# Altium PCB PCB2.PcbDoc (part 2 of 4) (continued)
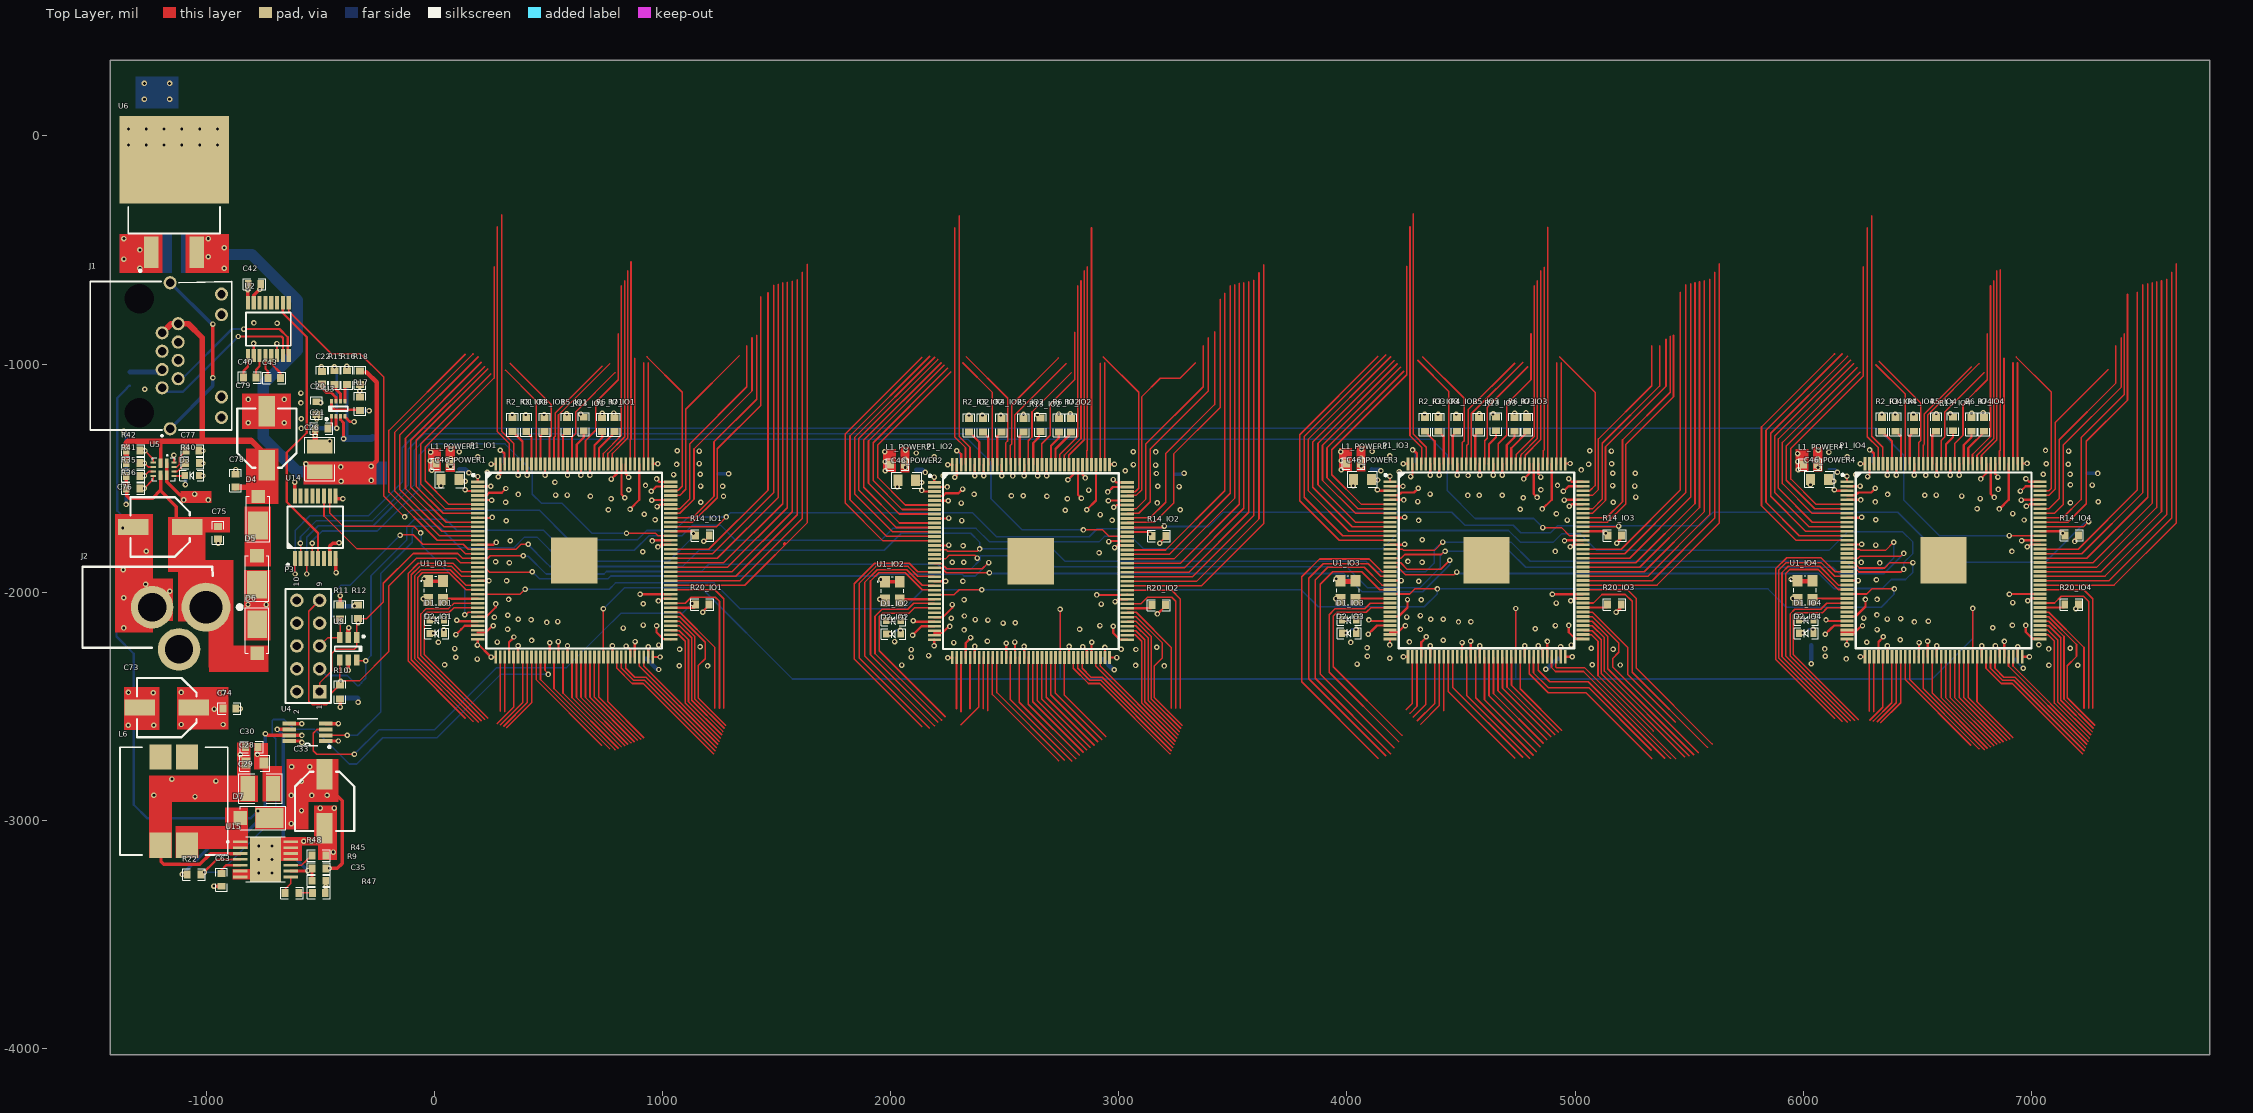
[diagram p0: Top Layer view]
## Nets (pads, with @x,y where several pads share a name; then routed paths per layer and width w, separated by ;. In a path a pad name is that pad's centre, name@x,y a point inside that pad or via, vN(x,y) a via of type N, cw(c..) or ccw(c..) an arc to the next point about the centre after c; other vN are vias at no path point) (continued)
  Top Layer w12: U3.4@-390.9,-1228.8 -390.9,-1230.83 -368.59,-1253.15 v1(-351.58,-1253.15)
  Top Layer w15: v1(-965.5,-3287.6) -964.84,-3288.26 -962.58,-3288.26 -962.48,-3288.16 C63.1@-931.5,-3288.16 ; U2.15@-791.08,-731.53 -791.08,-698.28 -760.14,-667.34 C42.1@-760.14,-650.1 ; U4.5@-635.8,-2576 -581.3,-2576 v1@-581,-2576.3 ; U4.1@-475.8,-2652 -419.3,-2652 v1@-419.1,-2652.2 ; U4.4@-475.8,-2576 -418.11,-2576 v1@-417.43,-2576.68 ; U14.8@-431.83,-1852.62 -431.87,-1852.66 -431.87,-1912.53 v1(-430.5,-1913.9) ; U14.9@-431.83,-1577.98 -431.83,-1588.64 -430.47,-1590 v1(-400,-1590)
  Top Layer w20: U8.2@-377,-2198.69 -376.33,-2198.02 -376.33,-2158.77 -374.71,-2157.15 v1(-374.71,-2156.06)
  Top Layer w25: C21.1@-521.3,-1282.4 -521.3,-1341.6 C26.1@-501.7,-1361.2
  Bottom Layer w10: v1(289.2,-1377.3) 303.02,-1391.12 C9_POWER1.2@303.02,-1431.06 ; v1(2290.3,-1379.9) 2304.12,-1393.72 C9_POWER2.2@2304.12,-1433.66 ; v1(4287.2,-1376.45) 4301.02,-1390.27 C9_POWER3.2@4301.02,-1430.22 ; C2_POWER4.2@6111.76,-1460.3 6138.77,-1460.3 v1@6150.17,-1471.7 ; v1(6290.2,-1376.3) 6304.02,-1390.12 C9_POWER4.2@6304.02,-1430.06 ; C54_POWER4.2@6928.2,-2290.42 6928.2,-2298.3 v1(6963.2,-2333.3)
  Bottom Layer w15: v1(-1360.45,-1295.11) -1360.45,-1297.05 -1349.4,-1308.1 R44.2@-1349.4,-1395.5 ; v1@-1353.08,-1617.52 -1349.46,-1613.9 R39.2@-1349.46,-1545.43 R38.1@-1349.46,-1489.89 R43.1@-1349.46,-1434.36 R44.2@-1349.46,-1378.83
  Bottom Layer w20: C39.1@-412.9,-2462.22 -411.68,-2463.44 -334.42,-2463.44 C37.1@-333.2,-2464.66 ; C38.1@-412.8,-2061.78 -411.73,-2060.71 -335.27,-2060.71 C36.1@-334.2,-2059.64 ; R19.2@-326.2,-1204.2 -325.93,-1204.47 -286.01,-1204.47 v1(-285.73,-1204.74) ; C2_POWER1.2@110.76,-1461.3 136.42,-1461.3 v1@152.21,-1477.09 ; C54_POWER1.2@927.2,-2291.42 929.92,-2291.42 976.28,-2337.78 983.45,-2337.78 v1(984.22,-2338.55) ; C2_POWER2.2@2111.86,-1463.9 2138.5,-1463.9 v1@2149.7,-1475.1 ; C54_POWER2.2@2928.3,-2294.02 2931.02,-2294.02 2976.23,-2339.23 2979.23,-2339.23 v1(2980,-2340) ; C2_POWER3.2@4108.76,-1460.45 4111.22,-1462.91 4142.8,-1462.91 4146.5,-1466.61 4146.89,-1466.61 4148,-1467.72 v1@4148,-1468.11 ; v1(4870.56,-2337.58) 4871.33,-2336.82 4876.24,-2336.82 4922.48,-2290.57 C54_POWER3.2@4925.2,-2290.57 ; C48_POWER4.2@6034.64,-2232.3 6034.64,-2292.86 C56_POWER4.1@6035.08,-2293.3
  other v1: -475.5,-3290.21 -442.5,-3138.6 -571.5,-3091.6 -539.2,-3090.85 -499.5,-2945.6 -438.65,-2945.62 -774.97,-2710.8 -419.8,-2651.9 -1341,-2582.7 -1229.2,-2582.7 -580.7,-2576 -420.1,-2575.3 -850.3,-2510.5 -334.07,-2482.6 -1231.1,-2440.3 -1340.4,-2439 1073.4,-2322.58 3073.6,-2320.5 7076.2,-2320.3 2049,-2319 45.3,-2317.9 5074.5,-2317.3 4044,-2314.5 6034.2,-2313.3 188.7,-2292.6 6188.2,-2292.3 4187.2,-2289.7 2166.2,-2277.4 3075.2,-2250.9 3010,-2250 1075.1,-2249.3 7075.2,-2248.3 5070.5,-2245.6 984.1,-2231.6 4982.8,-2231.6 7032.2,-2230.3 2276.3,-2220.5 4016,-2219.9 18.5,-2218.6 6278.2,-2219.3 276.4,-2218.5 4273.5,-2217.7 2017.5,-2216.2 1998.3,-2181.9 -2.8,-2179.3 3995.2,-2178.45 5998.2,-2178.3 2321.7,-2165.2 321.5,-2162.6 2828.2,-2162.6 4321.8,-2162.9 6323.2,-2163.3 4825.4,-2159.4 827.9,-2156.8 -1361.29,-2156.16 6830.2,-2155.3 2917.3,-2146.2 4913.6,-2145.9 916.4,-2143.6 6916.2,-2144.3 2492.9,-2135.1 2546.4,-2133.4 493.6,-2132.4 4488.7,-2130 4543,-2129.5 6486.89,-2129.97 541.5,-2128.4 6548.2,-2127.3 1997.9,-2121.5 2426.6,-2121.9 424.1,-2120.4 2371.41,-2119.79 -3.2,-2118.9 367.7,-2118.2 3994.8,-2118.05 4366.6,-2118 4421.9,-2118 5997.8,-2117.9 6368.2,-2117.3 6426.2,-2115.3 2323.4,-2104.1 4321.8,-2102.1 322.1,-2101.1 6322.2,-2099.3 -350,-2060 2923.57,-2051.62 916.5,-2050.3 4917.5,-2047.2 6918.2,-2045.3 2321.7,-2032.7 325.5,-2031.5 4325.3,-2032.4 1953.3,-2030.9 6323.2,-2031.3 -47.8,-2028.3 3950.2,-2027.45 5953.2,-2027.3 -1360.29,-2024.16 -1159.29,-1996.16 -1265.29,-1965.16 2316.9,-1952.3 4314.8,-1951.2 316.9,-1950 6320.2,-1945.3 -1363.29,-1901.16 6253.2,-1869.3 2269.6,-1868.1 268.5,-1866.2 4267,-1865 2913.4,-1826.5 914.1,-1822.5 4912.4,-1820.9 6914.2,-1821.3 -1262.29,-1820.16 -946.2,-1784.9 -1365.29,-1718.16 315.8,-1686.7 2311.6,-1685.9 4313.8,-1685.14 2970.5,-1684.3 4965.5,-1683.6 967.8,-1682.8 6967.2,-1683.3 6317.2,-1682.3 2918.9,-1659.3 920.8,-1657.6 4917.8,-1656.5 6918.2,-1655.3 763.4,-1638.5 3269.77,-1638.2 4759.4,-1636.2 -1350.46,-1614.93 2310.1,-1609.3 312.4,-1605.7 6315.2,-1604.3 7292.2,-1603.3 4309.8,-1602.4 775.1,-1590.3 2775.1,-1589.7 6775.2,-1589.3 4772.1,-1586.4 5265.6,-1582.9 684.59,-1579.72 1267.6,-1579.1 2684.99,-1578.91 2529.68,-1577.24 2581.3,-1577.2 4529.1,-1575.5 4579.6,-1575 6532.2,-1575.3 531.5,-1574.1 582.5,-1574.1 6582.2,-1574.3 367.7,-1571.5 6369.2,-1571.3 2365.6,-1570.2 4364,-1569.5 2868.85,-1552.24 852.4,-1551.1 4850.1,-1550.6 6854.2,-1549.3 2028.5,-1537.2 3264.3,-1536.6 1263.7,-1535.7 5260.83,-1534.76 4027.6,-1533.8 29.5,-1532.8 7266.2,-1530.3 6031.2,-1528.3 2230,-1490 6229.4,-1485.2 1049,-1484 7051.2,-1483.3 151.9,-1476.5 233,-1475 2151.9,-1475.1 6149.2,-1474.3 4228.4,-1471.6 3028.3,-1467.8 4148.74,-1467.38 5026.9,-1464.1 -870.15,-1462.55 3161.1,-1442.8 7161.2,-1439.3 5159.7,-1436.86 1161.34,-1436.14 -1013.76,-1435.23 190.35,-1406.7 2191.3,-1407.1 6192.2,-1406.3 4188,-1402.7 2112.4,-1389.7 6112.2,-1386.3 3161.92,-1384.99 109.4,-1384 4109.7,-1382.8 1160.8,-1381.1 5158.69,-1381.32 7162.07,-1381.26 -1013.76,-1379.83 -458.5,-1338.8 -521.3,-1312 -815.4,-1257.2 -657.5,-1257.2 2643.3,-1221.9 642.2,-1219.3 4640.2,-1218.45 6643.2,-1218.3 -584.4,-1170.5 -497.7,-1169 -815.4,-1155 -657.5,-1155 -584.4,-1127.3 -1269,-1110.1 -494.6,-1012.3 -689,-821.3 -790.3,-819.5 -764.38,-673.07 -1290,-580 -1360,-540 -1290,-500 -1360,-450 -1270,160 -1160,160 -1270,230 -1160,230
GPIO_0_IO1: P1_IO1.14 | length 1219.1
  Top Layer w7: 135.37,-956.95 -198.67,-1290.99 -198.67,-1560.49 13.31,-1772.47 P1_IO1.14@190.71,-1772.47
GPIO_0_IO2: P1_IO2.14 | length 1236.1
  Top Layer w7: 2136.47,-971.05 1801.85,-1305.67 1801.85,-1610.28 1966.64,-1775.07 P1_IO2.14@2191.81,-1775.07
GPIO_0_IO3: P1_IO3.14 | length 1244.6
  Top Layer w7: 4135.37,-966.69 3792.54,-1309.52 3792.54,-1599.47 3965.54,-1772.47 P1_IO3.14@4190.71,-1772.47
GPIO_0_IO4: P1_IO4.14 | length 1235.4
  Top Layer w7: 6136.37,-955.95 5816.42,-1275.9 5816.42,-1621.35 5966.54,-1771.47 P1_IO4.14@6191.71,-1771.47
GPIO_1_IO1: P1_IO1.11 | length 1076.4
  Top Layer w7: P1_IO1.11@190.71,-1713.42 42.43,-1713.42 -125.88,-1545.11 -125.88,-1324.81 206.33,-992.6
GPIO_1_IO2: P1_IO2.11 | length 1114.9
  Top Layer w7: P1_IO2.11@2191.81,-1716.02 2024.52,-1716.02 1860.66,-1552.16 1860.66,-1326.65 2207.43,-979.89
GPIO_1_IO3: P1_IO3.11 | length 1115.2
  Top Layer w7: P1_IO3.11@4190.71,-1713.42 4023.42,-1713.42 3850.02,-1540.02 3850.02,-1341.22 4206.33,-984.92
GPIO_1_IO4: P1_IO4.11 | length 1097.7
  Top Layer w7: P1_IO4.11@6191.71,-1712.42 6024.42,-1712.42 5873.9,-1561.9 5873.9,-1315.94 6207.33,-982.52
GPIO_2_IO1: P1_IO1.12 | length 1142.5
  Top Layer w7: P1_IO1.12@190.71,-1733.1 32.48,-1733.1 -151.42,-1549.21 -151.42,-1311.13 192.33,-967.39
GPIO_2_IO2: P1_IO2.12 | length 1163.1
  Top Layer w7: P1_IO2.12@2191.81,-1735.7 2009.29,-1735.7 1842,-1568.41 1842,-1321.41 2193.43,-969.99
GPIO_2_IO3: P1_IO3.12 | length 1171.4
  Top Layer w7: P1_IO3.12@4190.71,-1733.1 4008.19,-1733.1 3830.87,-1555.78 3830.87,-1328.84 4192.33,-967.39
GPIO_2_IO4: P1_IO4.12 | length 1150.8
  Top Layer w7: P1_IO4.12@6191.71,-1732.1 6009.19,-1732.1 5856.79,-1579.7 5856.79,-1302.92 6193.33,-966.39
GPIO_3_IO1: P1_IO1.13 | length 1188.2
  Top Layer w7: 169.83,-956.07 -173.86,-1299.75 -173.86,-1555.67 23.26,-1752.79 P1_IO1.13@190.71,-1752.79
GPIO_3_IO2: P1_IO2.13 | length 1209.5
  Top Layer w7: 2170.93,-966.23 1822,-1315.16 1822,-1594.83 1982.55,-1755.39 P1_IO2.13@2191.81,-1755.39
GPIO_3_IO3: P1_IO3.13 | length 1219.3
  Top Layer w7: 4169.83,-960.36 3812.91,-1317.28 3812.91,-1584.25 3981.45,-1752.79 P1_IO3.13@4190.71,-1752.79
GPIO_3_IO4: P1_IO4.13 | length 1205
  Top Layer w7: 6170.83,-955.07 5836.42,-1289.47 5836.42,-1605.76 5982.45,-1751.79 P1_IO4.13@6191.71,-1751.79
GPIO_4_IO1: P1_IO1.10 | length 1018.7
  Top Layer w7: P1_IO1.10@190.71,-1693.73 52.39,-1693.73 -102.67,-1538.68 -102.67,-1334.41 220.33,-1011.41
GPIO_4_IO2: P1_IO2.10 | length 1060.5
  Top Layer w7: P1_IO2.10@2191.81,-1696.33 2038.79,-1696.33 1882.72,-1540.26 1882.72,-1332.52 2221.43,-993.82
GPIO_4_IO3: P1_IO3.10 | length 1060
  Top Layer w7: P1_IO3.10@4190.71,-1693.73 4037.69,-1693.73 3872.77,-1528.81 3872.77,-1346.61 4220.33,-999.05
GPIO_4_IO4: P1_IO4.10 | length 1046.2
  Top Layer w7: P1_IO4.10@6191.71,-1692.73 6038.69,-1692.73 5890.6,-1544.64 5890.6,-1328.57 6221.33,-997.85
GPIO_5_IO1: P1_IO1.6 | length 1336.2
  Top Layer w7: P1_IO1.6@190.71,-1614.99 63.41,-1614.99 -39.98,-1511.61 -39.98,-1363.71 262.33,-1061.4 262.33,-574.09
GPIO_5_IO2: P1_IO2.6 | length 892.4
  Top Layer w7: P1_IO2.6@2191.81,-1617.59 2064.51,-1617.59 1944.37,-1497.45 1944.37,-1353.53 2263.43,-1034.47
GPIO_5_IO3: P1_IO3.6 | length 1360.3
  Top Layer w7: P1_IO3.6@4190.71,-1614.99 4063.41,-1614.99 3933.82,-1485.4 3933.82,-1375.34 4262.33,-1046.83 4262.33,-571.71
GPIO_5_IO4: P1_IO4.6 | length 1353.4
  Top Layer w7: P1_IO4.6@6191.71,-1613.99 6055.85,-1613.99 5945.59,-1503.73 5945.59,-1368.5 6263.33,-1050.76 6263.33,-573.7
GPIO_6_IO1: P1_IO1.7 | length 906.6
  Top Layer w7: P1_IO1.7@190.71,-1634.68 49.05,-1634.68 -59.68,-1525.95 -59.68,-1350.33 248.33,-1042.32
GPIO_6_IO2: P1_IO2.7 | length 947.6
  Top Layer w7: P1_IO2.7@2191.81,-1637.28 2050.15,-1637.28 1923.44,-1510.57 1923.44,-1344.81 2249.43,-1018.83
GPIO_6_IO3: P1_IO3.7 | length 941.3
  Top Layer w7: P1_IO3.7@4190.71,-1634.68 4049.05,-1634.68 3912.27,-1497.9 3912.27,-1366.96 4248.33,-1030.91
GPIO_6_IO4: P1_IO4.7 | length 926.3
  Top Layer w7: P1_IO4.7@6191.71,-1633.68 6050.05,-1633.68 5925.22,-1508.85 5925.22,-1359.12 6249.33,-1035.02
GPIO_7_IO1: P1_IO1.8 | length 962.5
  Top Layer w7: P1_IO1.8@190.71,-1654.36 39.69,-1654.36 -78.58,-1536.09 -78.58,-1334.37 234.33,-1021.46
GPIO_7_IO2: P1_IO2.8 | length 1000
  Top Layer w7: P1_IO2.8@2191.81,-1656.96 2037.99,-1656.96 1903.08,-1522.06 1903.08,-1336.67 2235.43,-1004.33
GPIO_7_IO3: P1_IO3.8 | length 995.8
  Top Layer w7: P1_IO3.8@4190.71,-1654.36 4036.89,-1654.36 3892.52,-1510 3892.52,-1355.59 4234.33,-1013.78
GPIO_7_IO4: P1_IO4.8 | length 980
  Top Layer w7: P1_IO4.8@6191.71,-1653.36 6037.89,-1653.36 5908.12,-1523.59 5908.12,-1343.64 6235.33,-1016.43
GPIO_8_IO1: P1_IO1.141 | length 1061.8
  Top Layer w7: 276.33,-397.91 276.33,-1295.57 328.03,-1347.28 P1_IO1.141@328.03,-1438.3
GPIO_8_IO2: P1_IO2.141 | length 1056.1
  Top Layer w7: 2280.39,-401.97 2280.39,-1318.2 2328.03,-1365.85 P1_IO2.141@2328.03,-1438.3
GPIO_8_IO3: P1_IO3.141 | length 1061.8
  Top Layer w7: 4276.33,-397.91 4276.33,-1314.14 4328.03,-1365.85 P1_IO3.141@4328.03,-1438.3
GPIO_8_IO4: P1_IO4.141 | length 1056.3
  Top Layer w7: 6280.23,-401.81 6280.23,-1318.04 6328.03,-1365.85 P1_IO4.141@6328.03,-1438.3
GPIO_9_IO1: P1_IO1.132 | length 518.8
  Top Layer w7: 332.33,-996.87 512.2,-1176.74 512.2,-1314.65 505.2,-1321.65 P1_IO1.132@505.2,-1438.3
GPIO_9_IO2: P1_IO2.132 | length 548.3
  Top Layer w7: 2332.33,-968.73 2513.79,-1150.19 2513.79,-1315.14 2513.79,-1335.46 2505.2,-1344.05 P1_IO2.132@2505.2,-1438.3
GPIO_9_IO3: P1_IO3.132 | length 548.3
  Top Layer w7: 4332.33,-968.73 4513.79,-1150.19 4513.79,-1315.14 4513.79,-1335.46 4505.2,-1344.05 P1_IO3.132@4505.2,-1438.3
GPIO_9_IO4: P1_IO4.132 | length 528.4
  Top Layer w7: 6332.33,-988.6 6513.79,-1170.06 6513.79,-1315.14 6513.79,-1335.46 6505.2,-1344.05 P1_IO4.132@6505.2,-1438.3
GPIO_10_IO1: P1_IO1.135 | length 467.4
  Top Layer w7: 311.99,-1026.43 446.14,-1160.58 P1_IO1.135@446.14,-1438.3
GPIO_10_IO2: P1_IO2.135 | length 498.2
  Top Layer w7: 2315.75,-994.13 2446.14,-1124.52 P1_IO2.135@2446.14,-1438.3
GPIO_10_IO3: P1_IO3.135 | length 511.1
  Top Layer w7: 4309.61,-983.79 4446.14,-1120.32 P1_IO3.135@4446.14,-1438.3
GPIO_10_IO4: P1_IO4.135 | length 488.9
  Top Layer w7: 6317.52,-1002.66 6446.14,-1131.28 P1_IO4.135@6446.14,-1438.3
GPIO_11_IO1: P1_IO1.140 | length 1114.2
  Top Layer w7: 295.22,-345.8 295.22,-1294.67 347.72,-1347.17 P1_IO1.140@347.72,-1438.3
GPIO_11_IO2: P1_IO2.140 | length 1107.4
  Top Layer w7: 2300.03,-350.62 2300.03,-1316.49 2347.72,-1364.18 P1_IO2.140@2347.72,-1438.3
GPIO_11_IO3: P1_IO3.140 | length 1121.2
  Top Layer w7: 4290.33,-340.91 4290.33,-1306.78 4347.72,-1364.18 P1_IO3.140@4347.72,-1438.3
GPIO_11_IO4: P1_IO4.140 | length 1107.1
  Top Layer w7: 6300.24,-350.82 6300.24,-1316.7 6347.72,-1364.18 P1_IO4.140@6347.72,-1438.3
GPIO_12_IO1: P1_IO1.131 | length 515.6
  Top Layer w7: P1_IO1.131@524.89,-1438.3 524.89,-1321.76 530.57,-1316.08 530.57,-1214.68 735.37,-1009.88
GPIO_12_IO2: P1_IO2.131 | length 552.5
  Top Layer w7: P1_IO2.131@2524.89,-1438.3 2524.89,-1356.09 2530.57,-1350.4 2530.57,-1177.76 2735.37,-972.96
GPIO_12_IO3: P1_IO3.131 | length 529.5
  Top Layer w7: P1_IO3.131@4524.89,-1438.3 4524.89,-1356.09 4530.57,-1350.4 4530.57,-1200.78 4735.37,-995.98
GPIO_12_IO4: P1_IO4.131 | length 513
  Top Layer w7: P1_IO4.131@6524.89,-1438.3 6524.89,-1356.09 6530.57,-1350.4 6530.57,-1217.31 6735.37,-1012.51
GPIO_13_IO1: P1_IO1.124 | length 629.7
  Top Layer w7: P1_IO1.124@662.68,-1438.3 662.68,-1335.96 708.2,-1290.44 708.2,-1166.73 806.33,-1068.6 806.33,-868.09
GPIO_13_IO2: P1_IO2.124 | length 637.1
  Top Layer w7: P1_IO2.124@2662.68,-1438.3 2662.68,-1349.05 2699.71,-1312.02 2699.71,-1175.22 2806.33,-1068.6 2806.33,-860.7
GPIO_13_IO3: P1_IO3.124 | length 629.7
  Top Layer w7: P1_IO3.124@4662.68,-1438.3 4662.68,-1349.05 4699.71,-1312.02 4699.71,-1175.22 4806.33,-1068.6 4806.33,-868.09
GPIO_13_IO4: P1_IO4.124 | length 748.1
  Top Layer w7: P1_IO4.124@6662.68,-1438.3 6662.68,-1349.05 6684.24,-1327.49 6699.71,-1312.02 6699.71,-1175.22 6806.33,-1068.6 6806.33,-868.09 ; P1_IO4.124@6663.68,-1437.3 6663.68,-1347.96 6684.2,-1327.44
GPIO_14_IO1: P1_IO1.127 | length 479.1
  Top Layer w7: P1_IO1.127@603.63,-1438.3 603.63,-1320.22 619.7,-1304.15 619.7,-1209.98 792.33,-1037.35
GPIO_14_IO2: P1_IO2.127 | length 479.1
  Top Layer w7: P1_IO2.127@2603.63,-1438.3 2603.63,-1335.71 2619.7,-1319.64 2619.7,-1209.98 2792.33,-1037.35
GPIO_14_IO3: P1_IO3.127 | length 504.7
  Top Layer w7: P1_IO3.127@4603.63,-1438.3 4603.63,-1335.71 4614.39,-1324.95 4614.39,-1189.75 4792.33,-1011.81
GPIO_14_IO4: P1_IO4.127 | length 479.1
  Top Layer w7: P1_IO4.127@6603.63,-1438.3 6603.63,-1335.71 6619.7,-1319.64 6619.7,-1209.98 6792.33,-1037.35
GPIO_15_IO1: P1_IO1.130 | length 533.8
  Top Layer w7: P1_IO1.130@544.57,-1438.3 544.57,-1223.11 769.83,-997.85
GPIO_15_IO2: P1_IO2.130 | length 533.8
  Top Layer w7: P1_IO2.130@2544.57,-1438.3 2544.57,-1223.11 2769.83,-997.85
GPIO_15_IO3: P1_IO3.130 | length 538.9
  Top Layer w7: P1_IO3.130@4544.57,-1438.3 4544.57,-1218.01 4769.83,-992.75
GPIO_15_IO4: P1_IO4.130 | length 533.8
  Top Layer w7: P1_IO4.130@6544.57,-1438.3 6544.57,-1223.11 6769.83,-997.85
GPIO_16_IO1: P1_IO1.120 | length 813.6
  Top Layer w7: P1_IO1.120@741.42,-1438.3 741.42,-1391.43 820.33,-1312.52 820.33,-657.41
GPIO_16_IO2: P1_IO2.120 | length 813.6
  Top Layer w7: P1_IO2.120@2741.42,-1438.3 2741.42,-1396.45 2820.33,-1317.55 2820.33,-657.41
GPIO_16_IO3: P1_IO3.120 | length 813.6
  Top Layer w7: P1_IO3.120@4741.42,-1438.3 4741.42,-1396.45 4820.33,-1317.55 4820.33,-657.41
GPIO_16_IO4: P1_IO4.120 | length 813.6
  Top Layer w7: P1_IO4.120@6741.42,-1438.3 6741.42,-1396.45 6820.33,-1317.55 6820.33,-657.41
GPIO_17_IO1: P1_IO1.114 | length 887.1
  Top Layer w7: P1_IO1.114@859.53,-1438.3 859.53,-1332.72 862.33,-1329.92 862.33,-552.33
GPIO_17_IO2: P1_IO2.114 | length 865.4
  Top Layer w7: P1_IO2.114@2859.53,-1438.3 2859.53,-1380.16 2862.33,-1377.37 2862.33,-574.09
GPIO_17_IO3: P1_IO3.114 | length 863.7
  Top Layer w7: P1_IO3.114@4859.53,-1438.3 4859.53,-1380.16 4865.22,-1374.48 4865.22,-576.98
GPIO_17_IO4: P1_IO4.114 | length 853.3
  Top Layer w7: P1_IO4.114@6859.53,-1438.3 6859.53,-1380.16 6862.33,-1377.37 6862.33,-586.11
GPIO_18_IO1: P1_IO1.118 | length 874.4
  Top Layer w7: P1_IO1.118@780.79,-1438.3 780.79,-1391.66 848.33,-1324.12 848.33,-591.91
GPIO_18_IO2: P1_IO2.118 | length 874.4
  Top Layer w7: P1_IO2.118@2780.79,-1438.3 2780.79,-1399.51 2848.33,-1331.97 2848.33,-591.91
GPIO_18_IO3: P1_IO3.118 | length 874.4
  Top Layer w7: P1_IO3.118@4780.79,-1438.3 4780.79,-1399.51 4848.33,-1331.97 4848.33,-591.91
GPIO_18_IO4: P1_IO4.118 | length 874.4
  Top Layer w7: P1_IO4.118@6780.79,-1438.3 6780.79,-1399.51 6848.33,-1331.97 6848.33,-591.91
GPIO_19_IO1: P1_IO1.119 | length 833.7
  Top Layer w7: P1_IO1.119@761.11,-1438.3 761.11,-1391.54 834.33,-1318.32 834.33,-634.91
GPIO_19_IO2: P1_IO2.119 | length 833.7
  Top Layer w7: P1_IO2.119@2761.11,-1438.3 2761.11,-1399.4 2766.79,-1393.71 2834.33,-1326.17 2834.33,-634.91
GPIO_19_IO3: P1_IO3.119 | length 833.7
  Top Layer w7: P1_IO3.119@4761.11,-1438.3 4761.11,-1399.4 4766.79,-1393.71 4834.33,-1326.17 4834.33,-634.91
GPIO_19_IO4: P1_IO4.119 | length 833.7
  Top Layer w7: P1_IO4.119@6761.11,-1438.3 6761.11,-1399.4 6766.79,-1393.71 6834.33,-1326.17 6834.33,-634.91
GPIO_20_IO1: P1_IO1.113 | length 463.3
  Top Layer w7: P1_IO1.113@879.22,-1438.3 879.22,-975.01
GPIO_20_IO2: P1_IO2.113 | length 1039
  Top Layer w7: P1_IO2.113@2880.32,-1440.9 2880.32,-401.9
GPIO_20_IO3: P1_IO3.113 | length 1037.5
  Top Layer w7: P1_IO3.113@4879.22,-1438.3 4879.22,-400.8
GPIO_20_IO4: P1_IO4.113 | length 463.3
  Top Layer w7: P1_IO4.113@6879.22,-1438.3 6879.22,-975.01
GPIO_21_IO1: P1_IO1.106 | length 690
  Top Layer w7: 932.33,-968.73 1087.1,-1123.5 1087.1,-1535.17 1068.73,-1553.53 1038.63,-1553.53 P1_IO1.106@1036.22,-1555.94
GPIO_21_IO2: P1_IO2.106 | length 696.1
  Top Layer w7: 2932.33,-968.73 3087.1,-1123.5 3087.1,-1544.48 3072.24,-1559.35 3038.13,-1559.35 P1_IO2.106@3037.32,-1558.54
GPIO_21_IO3: P1_IO3.106 | length 690
  Top Layer w7: 4932.33,-968.73 5087.1,-1123.5 5087.1,-1532.32 5064.33,-1555.09 P1_IO3.106@5034.22,-1555.09
GPIO_21_IO4: P1_IO4.106 | length 694.1
  Top Layer w7: 6932.33,-968.73 7087.1,-1123.5 7087.1,-1544.48 7076.76,-1554.82 7037.34,-1554.82 P1_IO4.106@7037.22,-1554.94
GPIO_22_IO1: P1_IO1.110 | length 443.8
  Top Layer w7: P1_IO1.110@938.27,-1438.3 938.27,-994.47
GPIO_22_IO2: P1_IO2.110 | length 443.8
  Top Layer w7: P1_IO2.110@2938.27,-1438.3 2938.27,-994.47
GPIO_22_IO3: P1_IO3.110 | length 443.8
  Top Layer w7: P1_IO3.110@4938.27,-1438.3 4938.27,-994.47
GPIO_22_IO4: P1_IO4.110 | length 443.8
  Top Layer w7: P1_IO4.110@6938.27,-1438.3 6938.27,-994.47
GPIO_23_IO1: P1_IO1.111 | length 443.7
  Top Layer w7: P1_IO1.111@918.59,-1438.3 918.59,-994.59
GPIO_23_IO2: P1_IO2.111 | length 441.1
  Top Layer w7: P1_IO2.111@2918.59,-1438.3 2918.59,-997.25
GPIO_23_IO3: P1_IO3.111 | length 443.7
  Top Layer w7: P1_IO3.111@4918.59,-1438.3 4918.59,-994.59
GPIO_23_IO4: P1_IO4.111 | length 443.7
  Top Layer w7: P1_IO4.111@6918.59,-1438.3 6918.59,-994.59
GPIO_24_IO1: P1_IO1.105 | length 758.7
  Top Layer w7: P1_IO1.105@1036.22,-1575.62 1075.76,-1575.62 1102.3,-1549.09 1102.3,-1197.7 1335.83,-964.17
GPIO_24_IO2: P1_IO2.105 | length 779.3
  Top Layer w7: P1_IO2.105@3036.22,-1575.62 3075.76,-1575.62 3101.18,-1550.2 3101.18,-1142.4 3181.79,-1061.79 3268.21,-1061.79 3335.83,-994.17
GPIO_24_IO3: P1_IO3.105 | length 801.8
  Top Layer w7: P1_IO3.105@5036.22,-1575.62 5075.76,-1575.62 5101.93,-1549.45 5101.93,-1328.07 5335.37,-1094.63 5335.37,-920.87
GPIO_24_IO4: P1_IO4.105 | length 698.7
  Top Layer w7: P1_IO4.105@7036.22,-1575.62 7075.76,-1575.62 7103.94,-1547.44 7103.94,-1256.06 7298.21,-1061.79 7335.83,-1024.17
GPIO_25_IO1: P1_IO1.100 | length 1011.2
  Top Layer w7: P1_IO1.100@1036.22,-1674.05 1131.57,-1674.05 1226.1,-1579.52 1226.1,-1340.75 1413.08,-1153.76 1413.08,-874.85
GPIO_25_IO2: P1_IO2.100 | length 1033.5
  Top Layer w7: P1_IO2.100@3036.22,-1674.05 3136.4,-1674.05 3205.27,-1605.18 3205.27,-1392.03 3419.64,-1177.66 3419.64,-858.05
GPIO_25_IO3: P1_IO3.100 | length 1012
  Top Layer w7: P1_IO3.100@5036.22,-1674.05 5136.4,-1674.05 5207.42,-1603.02 5207.42,-1332.59 5416.41,-1123.61 5416.41,-878.17
GPIO_25_IO4: P1_IO4.100 | length 1017.9
  Top Layer w7: P1_IO4.100@7036.22,-1674.05 7136.4,-1674.05 7217.13,-1593.32 7217.13,-1322.89 7406.33,-1133.69 7406.33,-868.09
GPIO_26_IO1: P1_IO1.101 | length 939.2
  Top Layer w7: P1_IO1.101@1036.22,-1654.36 1075.87,-1654.36 1138.3,-1591.94 1138.3,-1371.78 1392.33,-1117.75 1392.33,-885.91
GPIO_26_IO2: P1_IO2.101 | length 945.9
  Top Layer w7: P1_IO2.101@3036.22,-1654.36 3087.4,-1654.36 3138.3,-1603.46 3138.3,-1371.78 3392.33,-1117.75 3392.33,-885.91
GPIO_26_IO3: P1_IO3.101 | length 935.7
  Top Layer w7: P1_IO3.101@5036.22,-1654.36 5075.87,-1654.36 5132.71,-1597.52 5132.71,-1362.92 5398.24,-1097.4 5398.24,-891.82
GPIO_26_IO4: P1_IO4.101 | length 953.5
  Top Layer w7: P1_IO4.101@7036.22,-1654.36 7100.3,-1654.36 7138.3,-1616.37 7138.3,-1356.27 7392.33,-1102.24 7392.33,-885.91
GPIO_27_IO1: P1_IO1.102 | length 875.6
  Top Layer w7: P1_IO1.102@1036.22,-1634.68 1075.76,-1634.68 1119.56,-1590.88 1119.56,-1349.87 1369.83,-1099.6 1369.83,-920.41
GPIO_27_IO2: P1_IO2.102 | length 875.6
  Top Layer w7: P1_IO2.102@3036.22,-1634.68 3075.76,-1634.68 3117.32,-1593.12 3117.32,-1351.84 3369.83,-1099.34 3369.83,-920.41
GPIO_27_IO3: P1_IO3.102 | length 875.6
  Top Layer w7: P1_IO3.102@5036.22,-1634.68 5075.76,-1634.68 5118.71,-1591.72 5118.71,-1347.56 5369.83,-1096.44 5369.83,-920.41
GPIO_27_IO4: P1_IO4.102 | length 875.6
  Top Layer w7: P1_IO4.102@7036.22,-1634.68 7075.76,-1634.68 7121.18,-1589.25 7121.18,-1331.41 7369.83,-1082.76 7369.83,-920.41
GPIO_28_IO1: P1_IO1.99 | length 1208.5
  Top Layer w7: P1_IO1.99@1036.22,-1693.73 1131.69,-1693.73 1240.1,-1585.32 1240.1,-1371.4 1431.59,-1179.9 1431.59,-704.92
GPIO_28_IO2: P1_IO2.99 | length 1217.5
  Top Layer w7: P1_IO2.99@3036.22,-1693.73 3156.57,-1693.73 3240.1,-1610.2 3240.1,-1394.5 3444.12,-1190.47 3444.12,-715.71
GPIO_28_IO3: P1_IO3.99 | length 1045.3
  Top Layer w7: P1_IO3.99@5036.22,-1693.73 5140.36,-1693.73 5221.35,-1612.74 5221.35,-1608.89 5221.42,-1608.82 5221.42,-1352.71 5430.95,-1143.18 5430.95,-872.91
GPIO_28_IO4: P1_IO4.99 | length 1230.6
  Top Layer w7: P1_IO4.99@7036.22,-1693.73 7158.38,-1693.73 7240.1,-1612.01 7240.1,-1338.42 7420.33,-1158.19 7420.33,-693.84
GPIO_29_IO1: P1_IO1.91 | length 1516.5
  Top Layer w7: P1_IO1.91@1036.22,-1851.21 1036.42,-1851.41 1240.57,-1851.41 1507.67,-1584.31 1507.67,-650
GPIO_29_IO2: P1_IO2.91 | length 1516.5
  Top Layer w7: P1_IO2.91@3037.32,-1853.81 3037.52,-1854.01 3241.67,-1854.01 3508.77,-1586.91 3508.77,-652.6
GPIO_29_IO3: P1_IO3.91 | length 1516.5
  Top Layer w7: P1_IO3.91@5034.22,-1850.36 5034.42,-1850.56 5238.57,-1850.56 5505.67,-1583.46 5505.67,-649.15
GPIO_29_IO4: P1_IO4.91 | length 1516.5
  Top Layer w7: P1_IO4.91@7037.22,-1850.21 7037.42,-1850.41 7241.57,-1850.41 7508.67,-1583.31 7508.67,-649
GPIO_30_IO1: P1_IO1.92 | length 1471.5
  Top Layer w7: P1_IO1.92@1036.22,-1831.53 1036.42,-1831.72 1219.38,-1831.72 1487.1,-1564.01 1487.1,-654.36
GPIO_30_IO2: P1_IO2.92 | length 1471.5
  Top Layer w7: P1_IO2.92@3037.32,-1834.13 3037.52,-1834.32 3220.48,-1834.32 3488.2,-1566.61 3488.2,-656.96
GPIO_30_IO3: P1_IO3.92 | length 1471.5
  Top Layer w7: P1_IO3.92@5034.22,-1830.68 5034.42,-1830.87 5217.38,-1830.87 5485.1,-1563.16 5485.1,-653.51
GPIO_30_IO4: P1_IO4.92 | length 1471.5
  Top Layer w7: P1_IO4.92@7037.22,-1830.53 7037.42,-1830.72 7220.38,-1830.72 7488.1,-1563.01 7488.1,-653.36
GPIO_31_IO1: P1_IO1.93 | length 1399.4
  Top Layer w7: P1_IO1.93@1036.22,-1811.84 1036.42,-1812.04 1203.36,-1812.04 1462.61,-1552.79 1462.61,-687.27
GPIO_31_IO2: P1_IO2.93 | length 1399.4
  Top Layer w7: P1_IO2.93@3037.32,-1814.44 3037.52,-1814.64 3204.46,-1814.64 3463.71,-1555.39 3463.71,-689.87
GPIO_31_IO3: P1_IO3.93 | length 1399.4
  Top Layer w7: P1_IO3.93@5034.22,-1810.99 5034.42,-1811.19 5201.36,-1811.19 5460.61,-1551.94 5460.61,-686.42
GPIO_31_IO4: P1_IO4.93 | length 1399.4
  Top Layer w7: P1_IO4.93@7037.22,-1810.84 7037.42,-1811.04 7204.36,-1811.04 7463.61,-1551.79 7463.61,-686.27
GPIO_32_IO1: P1_IO1.90 | length 1565.9
  Top Layer w7: P1_IO1.90@1036.22,-1870.9 1036.42,-1871.09 1267.84,-1871.09 1527.26,-1611.67 1527.26,-644.31